# KiCad board HALTEST-panel.kicad_pcb (continued)
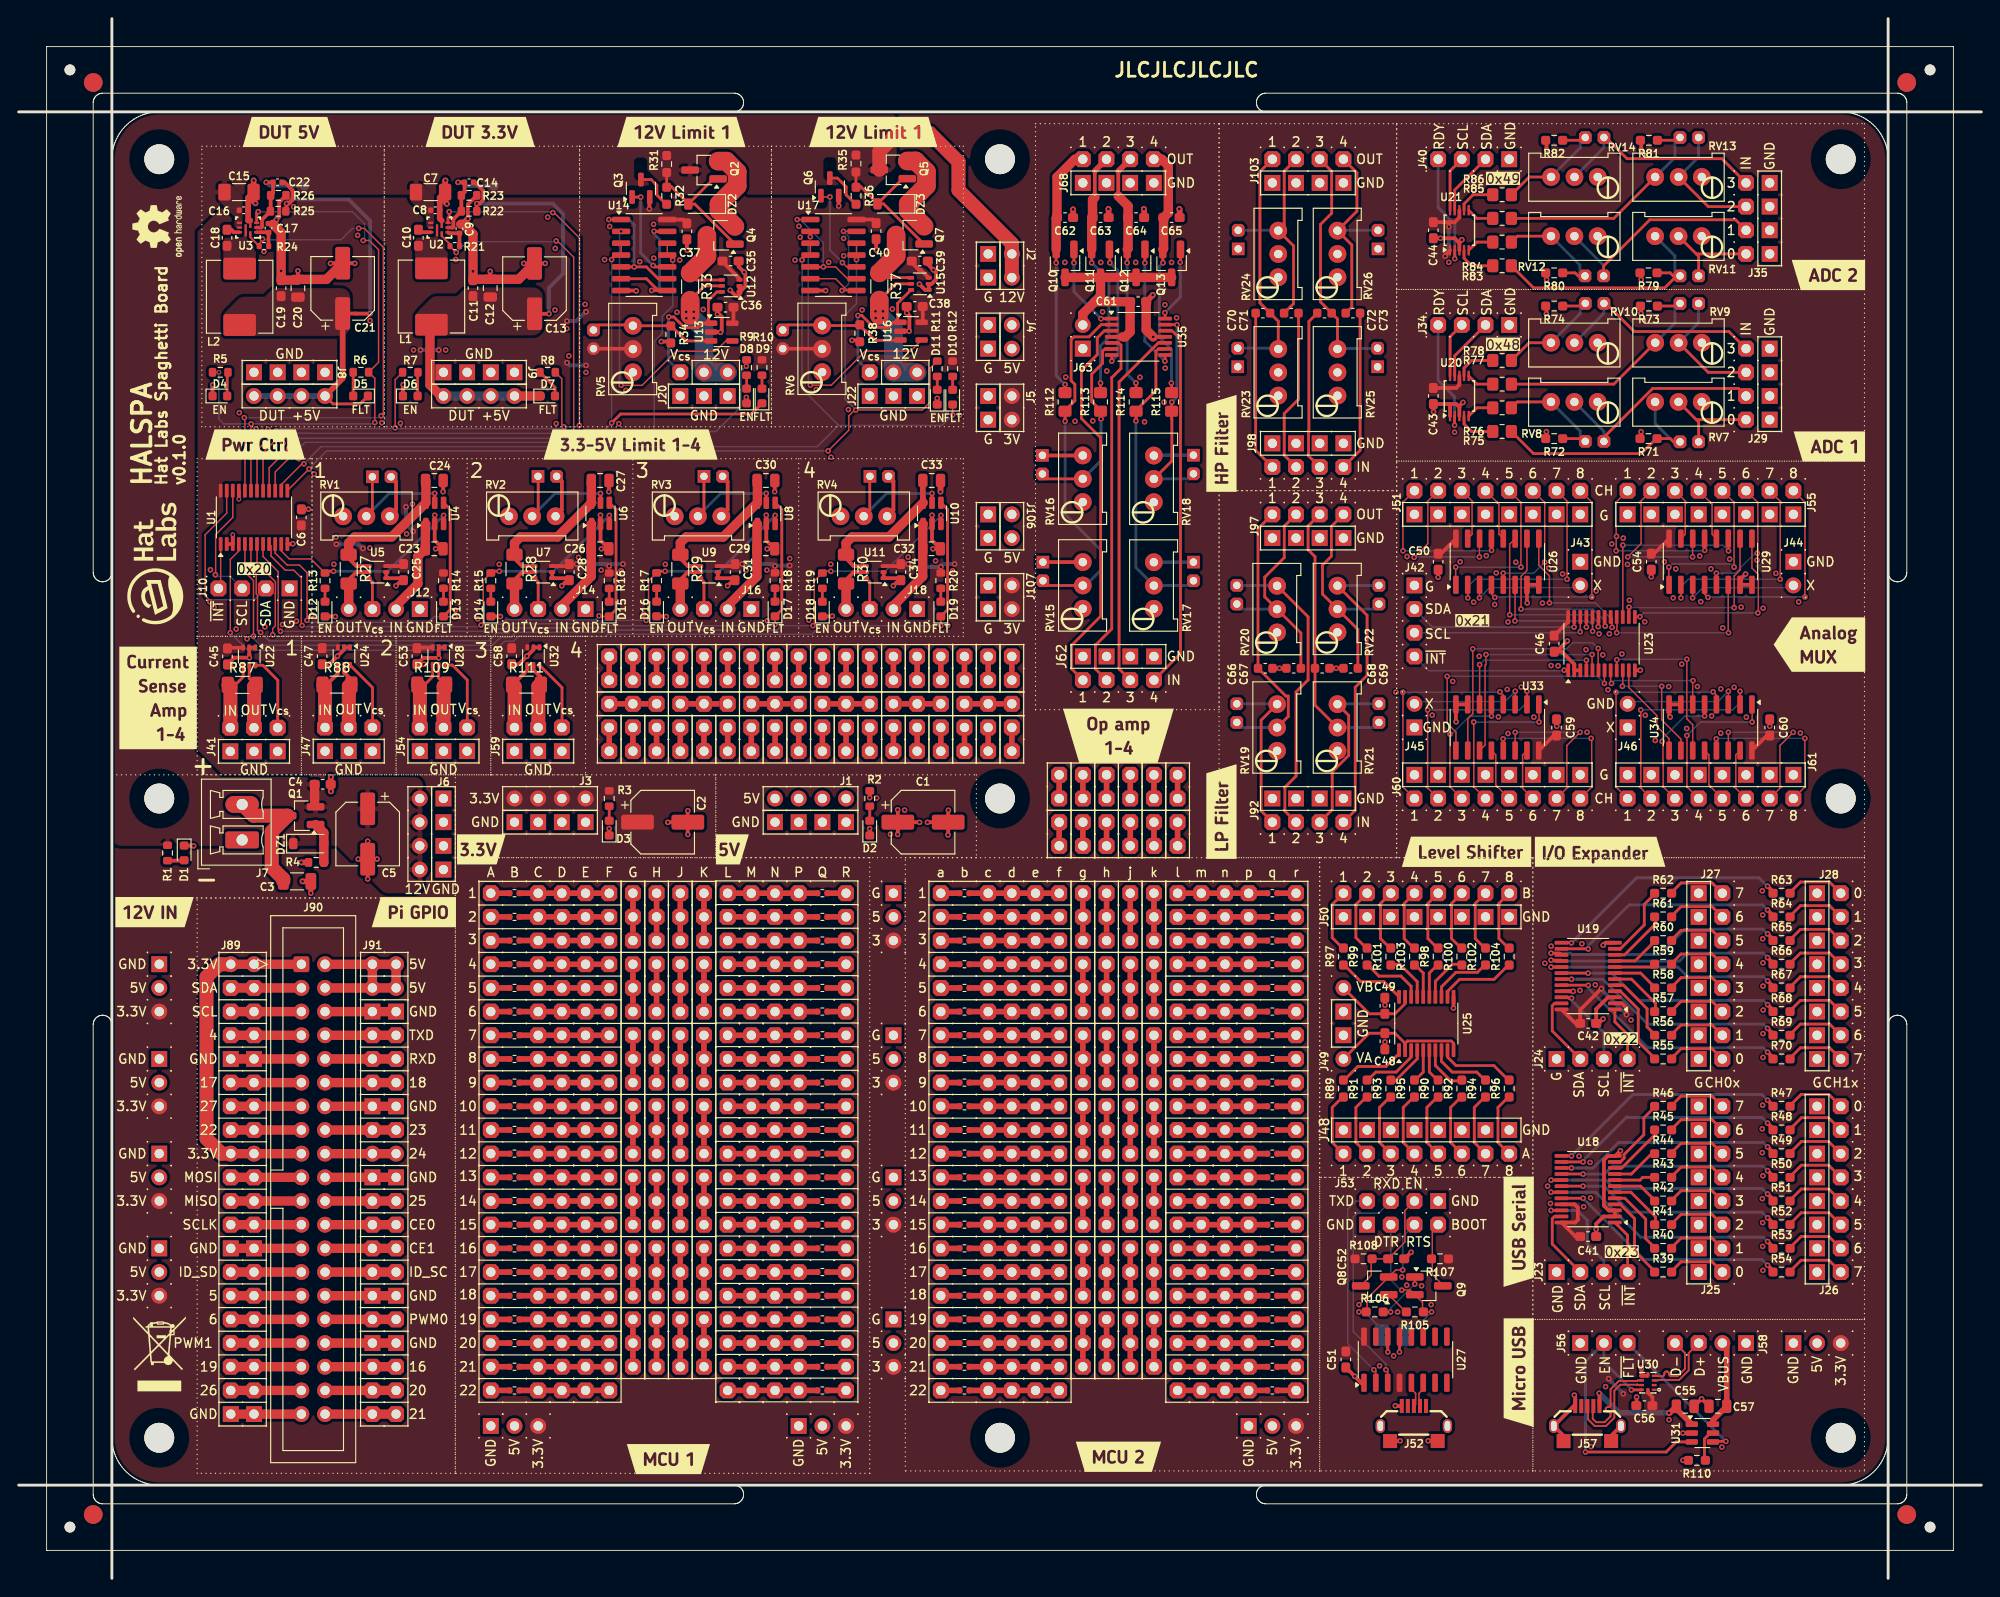
[diagram p0: board, top side]
## Routing (per net, layer and track width the routed paths; a pad name or vN(x,y) marks a point on that pad's centre or on a via; arc(x,y) is an arc through that point) (continued)
Board_0-/ADC/ADS1115 1/AIN1: length 2.9
  Top w0.3: U20.5 156.4,125.57 R76.1
Board_0-/ADC/ADS1115 1/AIN2: length 2.9
  Top w0.3: U20.6 156.4,128.11 R77.1
Board_0-/ADC/ADS1115 1/AIN3: length 4.3
  Top w0.3: R78.1 155.83,130.65 155.02,129.84 U20.7
Board_0-/ADC/ADS1115 1/AINc0: length 10.5
  Top w0.3: J30.1 180.18,124.05 179.93,124.3 ; J29.2 179.93,124.3 ; 179.93,124.3 RV7.2
Board_0-/ADC/ADS1115 1/AINc1: length 23.7
  Top w0.3: J31.1 170.02,122.41 175.26,127.65 184.45,127.65 J29.4
  Bottom w0.3: J31.1 170.02,123.04 RV8.2
Board_0-/ADC/ADS1115 1/AINc2: length 13.6
  Top w0.3: RV9.2 181.21,129.38 J29.6
  Bottom w0.3: RV9.2 180.18,134.7 J32.1
Board_0-/ADC/ADS1115 1/AINc3: length 22.8
  Top w0.3: J29.8 183.42,133.76 173.26,133.76 170.25,136.77 J33.1
  Bottom w0.3: RV10.2 170.02,135.72 J33.1
Board_0-/ADC/ADS1115 1/AINr0: length 25.8
  Top w0.3: 175.63,122.27 177.13,122.27 177.48,121.92 J30.2 ; 175.63,122.27 175.51,122.39 ; 175.63,122.27 174.02,120.66 162.47,120.66 R75.2
  Bottom w0.3: RV7.3 175.51,123.89 177.48,121.92 J30.2
Board_0-/ADC/ADS1115 1/AINr1: length 12.9
  Top w0.3: 165.51,122.27 167.72,122.27 J31.2 ; RV8.3 160.73,126.2 R76.2
  Bottom w0.3: RV8.3 167.48,123.07 167.48,122.51 J31.2
Board_0-/ADC/ADS1115 1/AINr2: length 25.2
  Top w0.3: 175.67,136.49 177.9,136.49 J32.2 ; R77.2 171.08,128.11 RV9.3
  Bottom w0.3: RV9.3 177.64,134.67 177.64,136.23 J32.2
Board_0-/ADC/ADS1115 1/AINr3: length 13.4
  Top w0.3: 165.51,136.49 167.74,136.49 J33.2 ; R78.2 162,132.56 RV10.3
  Bottom w0.3: RV10.3 167.48,135.69 167.48,137
Board_0-/ADC/ADS1115 1/ALERT/RDY: length 12.5
  Top w0.3: v1(154,123.7) 154,124.67 U20.2
  Bottom w0.3: v1(154,123.7) 154,126.75 152.24,128.51 J34.4
Board_0-/ADC/ADS1115 1/SCL: length 6
  Top w0.3: U20.10 153.52,133.2 J34.3
Board_0-/ADC/ADS1115 1/SDA: length 6.8
  Top w0.3: J34.2 154.02,131.16 U20.9
Board_0-/ADC/ADS1115 2/AIN0: length 4.3
  Top w0.3: U21.4 155.02,141.62 155.83,140.81 R83.1
Board_0-/ADC/ADS1115 2/AIN1: length 2.9
  Top w0.3: R84.1 156.4,143.35 U21.5
Board_0-/ADC/ADS1115 2/AIN2: length 2.9
  Top w0.3: R85.1 156.4,145.89 U21.6
Board_0-/ADC/ADS1115 2/AIN3: length 4.2
  Top w0.3: R86.1 156,148.43 155.02,147.45 U21.7
Board_0-/ADC/ADS1115 2/AINc0: length 10.5
  Top w0.3: J36.1 180.18,141.83 179.93,142.08 ; RV11.2 179.93,142.08 ; 179.93,142.08 J35.2
Board_0-/ADC/ADS1115 2/AINc1: length 24.4
  Top w0.3: J37.1 169.99,140.79 174.95,145.75 184.13,145.75 J35.4
  Bottom w0.3: J37.1 169.99,140.85 RV12.2
Board_0-/ADC/ADS1115 2/AINc2: length 13.7
  Top w0.3: J35.6 181.21,147.16 RV13.2
  Bottom w0.3: RV13.2 178.03,150.33 180.18,152.48 J38.1
Board_0-/ADC/ADS1115 2/AINc3: length 22.8
  Top w0.3: J35.8 182.66,152.3 172.5,152.3 170.23,154.57 J39.1
  Bottom w0.3: 166.87,150.33 170.02,153.49 J39.1
Board_0-/ADC/ADS1115 2/AINr0: length 27.7
  Top w0.3: 175.63,140.05 177.13,140.05 177.46,139.72 J36.2 177.82,139.72 176.53,138.43 162.48,138.43 R83.2
  Bottom w0.3: RV11.3 177.64,141.86 177.64,140.26 J36.2
Board_0-/ADC/ADS1115 2/AINr1: length 12.9
  Top w0.3: 165.51,140.05 166.93,140.05 167.26,139.72 J37.2 ; R84.2 160.73,143.98 RV12.3
  Bottom w0.3: J37.2 167.45,140.26 167.45,140.88 RV12.3
Board_0-/ADC/ADS1115 2/AINr2: length 25.2
  Top w0.3: R85.2 171.08,145.89 RV13.3 ; J38.2 177.88,154.27 175.67,154.27
  Bottom w0.3: RV13.3 175.53,150.33 177.64,152.44 177.64,154.03 J38.2
Board_0-/ADC/ADS1115 2/AINr3: length 13.4
  Top w0.3: RV14.3 162,150.33 R86.2 ; 165.51,154.27 167.72,154.27 J39.2
  Bottom w0.3: RV14.3 167.48,153.46 167.48,154.03 J39.2
Board_0-/ADC/ADS1115 2/ALERT/RDY: length 12.3
  Top w0.3: v1(154.02,141.57) U21.2
  Bottom w0.3: J40.4 152.24,147.06 154.03,145.27 154.03,141.59 v1(154.02,141.57)
Board_0-/ADC/ADS1115 2/SCL: length 6
  Top w0.3: U21.10 153.52,150.98 J40.3
Board_0-/ADC/ADS1115 2/SDA: length 6.8
  Top w0.3: J40.2 154.02,148.94 U21.9
Board_0-/Analog IO/A1: length 19.7
  Top w0.15: 160.5,111.53 159.91,110.95 v1(159.91,103.37) ; U23.19 169.44,102.13 v1(169.41,102.1)
  Bottom w0.15: v1(159.91,103.37) 168.55,103.37 169.41,102.51 v1(169.41,102.1)
Board_0-/Analog IO/A2: length 20.6
  Top w0.15: 183.35,111.53 183.38,111.51 v1(183.38,110.23) ; U23.15 172.04,110.83 v1(172.05,110.84)
  Bottom w0.15: v1(183.38,110.23) 182.77,110.84 v1(172.05,110.84)
Board_0-/Analog IO/A3: length 23.7
  Top w0.15: U33.11 157.27,89.39 157.27,97.93 157.37,98.04 v1(157.37,99.1) ; U23.5 168.75,97.45 v1(168.75,99.1)
  Bottom w0.15: v1(157.37,99.1) v1(168.75,99.1)
Board_0-/Analog IO/A4: length 18.7
  Top w0.15: U34.11 179.54,91.57 178.91,92.21 v1(178.91,98.6) ; U23.9 171.39,97.41 v1(171.39,98.54)
  Bottom w0.15: v1(171.39,98.54) 171.44,98.6 v1(178.91,98.6)
Board_0-/Analog IO/Analog MUX 1/X: length 12.8
  Top w0.15: v1(156.67,105.18) 156.67,106.57 U26.3
  Bottom w0.15: v1(156.67,105.18) 157.77,106.28 167.24,106.28 J43.2
Board_0-/Analog IO/Analog MUX 1/X0: length 17.7
  Top w0.15: v1(148.47,110.23) 148.47,115.45 J51.2 ; v1(157.97,110.28) 157.97,111.52 157.96,111.53
  Bottom w0.15: v1(157.97,110.28) 157.92,110.23 v1(148.47,110.23)
Board_0-/Analog IO/Analog MUX 1/X1: length 17.2
  Top w0.15: J51.4 151.14,115.58 151.14,111 v1(149.67,109.53) ; 156.69,111.53 156.67,111.52 v1(156.67,109.58)
  Bottom w0.15: v1(156.67,109.58) 149.72,109.58 v1(149.67,109.53)
Board_0-/Analog IO/Analog MUX 1/X2: length 5.8
  Top w0.15: 155.41,111.53 155.88,112 155.88,115.58 J51.6
Board_0-/Analog IO/Analog MUX 1/X3: length 5.9
  Top w0.15: 159.22,111.53 158.76,112 158.76,115.24 J51.8
Board_0-/Analog IO/Analog MUX 1/X4: length 17.6
  Top w0.15: U26.1 154.12,106.61 v1(154.12,108.48) ; J51.10 161.12,115.42 v1(161.12,108.48)
  Bottom w0.15: v1(161.12,108.48) v1(154.12,108.48)
Board_0-/Analog IO/Analog MUX 1/X5: length 14.4
  Top w0.15: U26.5 159.22,106.59 v1(159.22,107.83) ; v1(163.67,109.01) 163.67,115.41 J51.12
  Bottom w0.15: v1(163.67,109.01) 162.49,107.83 v1(159.22,107.83)
Board_0-/Analog IO/Analog MUX 1/X6: length 23.6
  Top w0.15: U26.2 155.42,106.58 v1(155.42,105.18) ; v1(166.07,107.18) 166.07,115.55 J51.14
  Bottom w0.15: v1(155.42,105.18) 155.42,106.38 156.22,107.18 v1(166.07,107.18)
Board_0-/Analog IO/Analog MUX 1/X7: length 23.8
  Top w0.15: J51.16 168.72,115.44 v1(168.72,105.28) ; v1(158.32,105.23) 157.96,105.59 U26.4
  Bottom w0.15: v1(158.32,105.23) 158.37,105.28 v1(168.72,105.28)
Board_0-/Analog IO/Analog MUX 2/X: length 12.8
  Top w0.15: v1(179.53,105.18) 179.53,106.57 U29.3
  Bottom w0.15: J44.2 190.1,106.28 180.63,106.28 v1(179.53,105.18)
Board_0-/Analog IO/Analog MUX 2/X0: length 17.9
  Top w0.15: v1(171.33,110.23) 171.33,115.45 J55.2 ; v1(180.83,110.28) 180.83,111.52 180.81,111.53 ; 171.38,111.8 v1(171.37,111.78)
  Bottom w0.15: v1(171.33,110.23) 180.78,110.23 v1(180.83,110.28) ; v1(171.37,111.78) 171.27,111.88
Board_0-/Analog IO/Analog MUX 2/X1: length 17.1
  Top w0.15: v1(172.58,109.58) 174,111 174,115.58 J55.4 ; 179.54,111.53 179.53,111.52 v1(179.53,109.58)
  Bottom w0.15: v1(172.58,109.58) v1(179.53,109.58)
Board_0-/Analog IO/Analog MUX 2/X2: length 5.8
  Top w0.15: 178.28,111.53 178.74,112 178.74,115.58 J55.6
Board_0-/Analog IO/Analog MUX 2/X3: length 5.9
  Top w0.15: J55.8 181.62,115.24 181.62,112 182.09,111.53
Board_0-/Analog IO/Analog MUX 2/X4: length 17.9
  Top w0.15: J55.10 183.98,115.42 v1(183.98,108.48) ; U29.1 176.98,106.61 v1(176.98,108.48)
  Bottom w0.15: v1(183.98,108.48) 183.64,108.82 177.32,108.82 v1(176.98,108.48)
Board_0-/Analog IO/Analog MUX 2/X5: length 13.8
  Top w0.15: v1(182.08,107.83) 182.08,106.59 182.09,106.58 ; J55.12 186.53,115.41 186.53,110.03 v1(186.48,109.97)
  Bottom w0.15: v1(186.48,109.97) 186.23,109.97 184.08,107.83 v1(182.08,107.83)
Board_0-/Analog IO/Analog MUX 2/X6: length 23.6
  Top w0.15: J55.14 188.93,115.55 v1(188.93,107.18) ; U29.2 178.28,106.58 v1(178.28,105.18)
  Bottom w0.15: v1(188.93,107.18) 179.08,107.18 178.28,106.38 v1(178.28,105.18)
Board_0-/Analog IO/Analog MUX 2/X7: length 23.8
  Top w0.15: v1(181.18,105.23) 180.81,105.59 U29.4 ; J55.16 191.58,115.44 v1(191.58,105.28)
  Bottom w0.15: v1(181.18,105.23) 181.23,105.28 v1(191.58,105.28)
Board_0-/Analog IO/Analog MUX 3/X: length 12.8
  Top w0.15: v1(160.51,95.16) 160.51,93.77 160.5,93.75
  Bottom w0.15: J45.2 149.94,94.06 159.41,94.06 v1(160.51,95.16)
Board_0-/Analog IO/Analog MUX 3/X0: length 17.7
  Top w0.15: 168.71,90.11 168.71,84.89 J60.2 ; v1(159.21,90.06) 159.21,88.82 U33.13
  Bottom w0.15: v1(159.21,90.06) 159.26,90.11 v1(168.65,90.11) 168.71,90.11
Board_0-/Analog IO/Analog MUX 3/X1: length 17.1
  Top w0.15: v1(167.46,90.76) 166.04,89.34 166.04,84.76 J60.4 ; U33.14 160.51,88.82 v1(160.51,90.76)
  Bottom w0.15: v1(167.46,90.76) v1(160.51,90.76)
Board_0-/Analog IO/Analog MUX 3/X2: length 5.8
  Top w0.15: J60.6 161.3,84.76 161.3,88.34 U33.15
Board_0-/Analog IO/Analog MUX 3/X3: length 5.9
  Top w0.15: U33.12 158.42,88.34 158.42,85.1 J60.8
Board_0-/Analog IO/Analog MUX 3/X4: length 17.6
  Top w0.15: 163.03,93.75 163.06,93.73 v1(163.06,91.86) ; J60.10 156.06,84.92 v1(156.06,91.86)
  Bottom w0.15: v1(156.06,91.86) v1(163.06,91.86)
Board_0-/Analog IO/Analog MUX 3/X5: length 13.9
  Top w0.15: 157.96,93.75 157.96,93.75 v1(157.96,92.51) ; J60.12 153.51,84.93 v1(153.51,90.57)
  Bottom w0.15: v1(157.96,92.51) 155.64,92.51 153.7,90.57 v1(153.51,90.57)
Board_0-/Analog IO/Analog MUX 3/X6: length 23.6
  Top w0.15: 161.76,93.75 161.76,93.76 v1(161.76,95.16) ; v1(151.11,93.16) 151.11,84.79 J60.14
  Bottom w0.15: v1(151.11,93.16) 160.96,93.16 161.76,93.96 v1(161.76,95.16)
Board_0-/Analog IO/Analog MUX 3/X7: length 23.8
  Top w0.15: v1(148.46,95.06) 148.46,84.9 J60.16 ; v1(158.86,95.11) 159.22,94.74 159.22,93.75
  Bottom w0.15: v1(148.46,95.06) 158.81,95.06 v1(158.86,95.11)
Board_0-/Analog IO/Analog MUX 4/X: length 12.8
  Top w0.15: 183.35,93.75 183.37,93.77 v1(183.37,95.16)
  Bottom w0.15: J46.2 172.8,94.06 182.27,94.06 v1(183.37,95.16)
Board_0-/Analog IO/Analog MUX 4/X0: length 17.7
  Top w0.15: v1(191.57,90.11) 191.57,84.89 J61.2 ; v1(182.07,90.06) 182.07,88.82 182.09,88.8
  Bottom w0.15: v1(191.57,90.11) 182.12,90.11 v1(182.07,90.06)
Board_0-/Analog IO/Analog MUX 4/X1: length 17.1
  Top w0.15: v1(183.37,90.76) 183.37,88.82 U34.14 ; v1(190.32,90.76) 188.9,89.34 188.9,84.76 J61.4
  Bottom w0.15: v1(190.32,90.76) v1(183.37,90.76)
Board_0-/Analog IO/Analog MUX 4/X2: length 5.8
  Top w0.15: J61.6 184.16,84.76 184.16,88.34 U34.15
Board_0-/Analog IO/Analog MUX 4/X3: length 5.9
  Top w0.15: J61.8 181.28,85.1 181.28,88.34 U34.12
Board_0-/Analog IO/Analog MUX 4/X4: length 16.8
  Top w0.15: J61.10 178.92,84.92 v1(178.92,90.42) ; 185.9,93.75 185.92,93.73 v1(185.92,91.86)
  Bottom w0.15: v1(178.92,90.42) 180.36,91.86 v1(185.92,91.86)
Board_0-/Analog IO/Analog MUX 4/X5: length 13.8
  Top w0.15: v1(176.27,89.78) 176.35,89.7 176.35,87.77 176.37,87.75 176.37,84.93 J61.12 ; 180.81,93.75 180.82,93.75 v1(180.82,92.51)
  Bottom w0.15: v1(180.82,92.51) 178.72,92.51 176.27,90.07 v1(176.27,89.78)
Board_0-/Analog IO/Analog MUX 4/X6: length 23.6
  Top w0.15: v1(173.97,93.16) 173.97,84.79 J61.14 ; 184.62,93.75 184.62,93.76 v1(184.62,95.16)
  Bottom w0.15: v1(184.62,95.16) 184.62,93.96 183.82,93.16 v1(173.97,93.16)
Board_0-/Analog IO/Analog MUX 4/X7: length 23.8
  Top w0.15: J61.16 171.32,84.9 v1(171.32,95.06) ; 182.09,93.75 182.09,94.74 v1(181.72,95.11)
  Bottom w0.15: v1(171.32,95.06) 181.67,95.06 v1(181.72,95.11)
Board_0-/Analog IO/B1: length 18.9
  Top w0.15: v1(170.16,102.15) 170.16,103.07 U23.18 ; v1(161.13,103.98) 161.13,107.5 161.76,108.13 161.76,111.53
  Bottom w0.15: v1(170.16,102.15) 170.16,102.67 168.85,103.98 v1(161.13,103.98)
Board_0-/Analog IO/B2: length 20
  Top w0.15: 184.62,111.53 184.62,108.17 183.99,107.53 v1(183.99,104.13) ; v1(172.71,104.18) 172.71,103.15 U23.14
  Bottom w0.15: v1(172.71,104.18) 172.76,104.13 v1(183.99,104.13)
Board_0-/Analog IO/B3: length 27.5
  Top w0.15: U23.6 169.41,97.44 v1(169.41,99.76) ; U33.10 155.41,92.21 155.97,92.76 155.97,99.7 v1(155.95,99.71)
  Bottom w0.15: v1(155.95,99.71) 165.99,99.71 166.64,100.37 168.8,100.37 v1(169.41,99.76)
Board_0-/Analog IO/B4: length 13.7
  Top w0.15: v1(176.22,95.7) 176.22,92.09 178.28,90.04 U34.10 ; v1(172,95.7) 172.04,95.74 U23.10
  Bottom w0.15: v1(176.22,95.7) v1(172,95.7)
Board_0-/Analog IO/C1: length 16.8
  Top w0.15: 163.03,111.53 163.03,108.68 164.18,107.54 v1(164.18,104.64) ; U23.17 170.9,102.98 v1(170.9,102.02)
  Bottom w0.15: v1(170.9,102.02) 170.9,102.85 169.11,104.64 v1(164.18,104.64)
Board_0-/Analog IO/C2: length 21.6
  Top w0.15: v1(186.53,103.57) 186.58,103.62 186.58,107.69 185.9,108.37 185.9,111.53 ; v1(173.88,103.17) 173.38,103.17 173.34,103.13
  Bottom w0.15: v1(186.53,103.57) 174.29,103.57 v1(173.88,103.17)
Board_0-/Analog IO/C3: length 26.9
  Top w0.15: U23.7 170.07,97.39 v1(170.07,96) ; v1(153.21,96.77) 153.21,91.74 154.15,90.8 U33.9
  Bottom w0.15: v1(170.07,96) 169.31,96.77 v1(153.21,96.77)
Board_0-/Analog IO/C4: length 10.4
  Top w0.15: U34.9 177,90.09 175.7,91.39 175.7,92.56 172.69,95.57 U23.11
Board_0-/Analog IO/INH1: length 14.6
  Top w0.15: v1(168.8,101.59) 168.8,103.12 U23.20 ; v1(160.47,102.71) 160.5,102.74 U26.6
  Bottom w0.15: v1(168.8,101.59) 168.8,102.24 168.33,102.71 v1(160.47,102.71)
Board_0-/Analog IO/INH2: length 18.9
  Top w0.15: v1(183.38,101.44) 183.35,101.47 U29.6 ; U23.16 171.42,103.1 171.42,101.47 v1(171.39,101.44)
  Bottom w0.15: v1(171.39,101.44) v1(183.38,101.44)
Board_0-/Analog IO/INH3: length 17
  Top w0.15: v1(156.69,98.02) 156.69,93.75 ; U23.4 168.14,97.41 v1(168.14,98.49)
  Bottom w0.15: v1(168.14,98.49) 157.16,98.49 v1(156.69,98.02)
Board_0-/Analog IO/INH4: length 12.9
  Top w0.15: v1(170.83,96) 170.74,96.1 U23.8 ; 179.54,93.75 179.54,96.28 v1(179.57,96.31)
  Bottom w0.15: v1(170.83,96) 171.14,96.31 v1(179.57,96.31)
Board_0-/Analog IO/SCL: length 19.4
  Top w0.15: U23.22 167.49,101.55 v1(167.48,101.54)
  Bottom w0.15: v1(167.48,101.54) 167.38,101.44 J42.3
Board_0-/Analog IO/SDA: length 19.1
  Top w0.15: v1(166.82,102.05) 166.84,102.07 166.84,103.13
  Bottom w0.15: v1(166.82,102.05) 151.63,102.05 J42.2 149.7,103.93
Board_0-/Analog IO/~{INT}: length 17.2
  Top w0.15: v1(165.75,97.43) 165.77,97.41 U23.1
  Bottom w0.15: v1(165.75,97.43) 165.7,97.37 151.23,97.37 J42.4
Board_0-/Current Sense/INA199 1/IN1: length 7.8
  Top w0.3: U22.4 24.08,96.7 23.23,95.85 22.52,95.85
  Top w1.5: 22.51,95.85 22.72,95.64 22.72,92.56 22.7,92.55 22.7,91.28
Board_0-/Current Sense/INA199 1/OUT1: length 7.7
  Top w0.3: 24.73,95.85 25.43,95.85 24.73,96.55 U22.5
  Top w1.5: 25.24,91.28 25.24,92.55 25.25,92.56 25.25,95.67 25.43,95.85
Board_0-/Current Sense/INA199 2/IN1: length 7.5
  Top w0.4: U24.4 34.24,97.08 32.86,95.69
  Top w1.5: 32.68,95.88 32.86,95.69 J47.2 ; 32.86,91.3 32.88,91.32
Board_0-/Current Sense/INA199 2/OUT1: length 7
  Top w0.4: U24.5 34.89,97.18 35.6,96.47 35.6,95.88
  Top w1.5: 35.6,95.88 35.42,95.69 35.42,91.32 35.4,91.3
Board_0-/Current Sense/INA199 3/IN1: length 7.8
  Top w0.3: 42.84,95.88 43.55,95.88 44.4,96.73 U28.4
  Top w1.5: 42.83,95.88 43.03,95.67 43.03,92.59 43.02,92.57 43.02,91.3
Board_0-/Current Sense/INA199 3/OUT1: length 7.7
  Top w0.3: U28.5 45.05,96.58 45.75,95.88 45.05,95.88
  Top w1.5: 45.75,95.88 45.58,95.7 45.58,92.59 45.56,92.57 45.56,91.3
Board_0-/Current Sense/INA199 4/IN1: length 7.4
  Top w0.4: U32.4 54.56,97.44 53,95.88
  Top w1.5: 53,95.88 53.19,95.68 53.19,91.32 53.18,91.3
Board_0-/Current Sense/INA199 4/OUT1: length 7
  Top w0.4: 55.92,95.88 55.92,96.75 55.21,97.46 U32.5
  Top w1.5: 55.72,91.3 55.73,91.32 55.73,95.69 55.92,95.88
Board_0-/Digital IO/P1r00: length 6.4
  Top w0.3: J25.16 181.62,33.96 178.3,33.96 177.19,32.86
Board_0-/Digital IO/P1r01: length 6.4
  Top w0.3: 177.19,35.4 178.3,36.5 181.62,36.5 J25.14
Board_0-/Digital IO/P1r02: length 6.4
  Top w0.3: 177.19,37.94 178.3,39.04 181.62,39.04 J25.12
Board_0-/Digital IO/P1r03: length 6.4
  Top w0.3: J25.10 181.62,41.58 178.3,41.58 177.19,40.48
Board_0-/Digital IO/P1r04: length 6.4
  Top w0.3: 177.19,43.02 178.3,44.12 181.62,44.12 J25.8
Board_0-/Digital IO/P1r05: length 6.4
  Top w0.3: J25.6 181.62,46.66 178.3,46.66 177.19,45.56
Board_0-/Digital IO/P1r06: length 6.4
  Top w0.3: J25.4 181.62,49.2 178.3,49.2 177.19,48.1
Board_0-/Digital IO/P1r07: length 6.4
  Top w0.3: J25.2 181.62,51.74 178.3,51.74 177.19,50.64
Board_0-/Digital IO/P1r10: length 6.6
  Top w0.3: 189.9,50.64 191.18,51.92 194.14,51.92 J26.16
Board_0-/Digital IO/P1r11: length 6.6
  Top w0.3: 189.9,48.1 191.22,49.42 194.1,49.42 J26.14
Board_0-/Digital IO/P1r12: length 6.6
  Top w0.3: 189.9,45.56 191.21,46.87 194.11,46.87 J26.12
Board_0-/Digital IO/P1r13: length 6.6
  Top w0.3: 189.9,43.02 191.19,44.32 194.12,44.32 J26.10
Board_0-/Digital IO/P1r14: length 6.6
  Top w0.3: J26.8 194.13,41.77 191.19,41.77 189.9,40.48
Board_0-/Digital IO/P1r15: length 6.6
  Top w0.3: J26.6 194.14,39.22 191.18,39.22 189.9,37.94
Board_0-/Digital IO/P1r16: length 6.6
  Top w0.3: 189.9,35.4 191.16,36.67 194.15,36.67 J26.4
Board_0-/Digital IO/P1r17: length 6.6
  Top w0.3: J26.2 194.16,34.12 191.16,34.12 189.9,32.86
Board_0-/Digital IO/P2r00: length 6.4
  Top w0.3: J27.16 181.62,56.82 178.3,56.82 177.19,55.72
Board_0-/Digital IO/P2r01: length 6.4
  Top w0.3: J27.14 181.62,59.36 178.3,59.36 177.19,58.26
Board_0-/Digital IO/P2r02: length 6.4
  Top w0.3: J27.12 181.62,61.9 178.3,61.9 177.19,60.8
Board_0-/Digital IO/P2r03: length 6.4
  Top w0.3: 177.19,63.34 178.3,64.44 181.62,64.44 J27.10
Board_0-/Digital IO/P2r04: length 6.4
  Top w0.3: J27.8 181.62,66.98 178.3,66.98 177.19,65.88
Board_0-/Digital IO/P2r05: length 6.4
  Top w0.3: J27.6 181.62,69.52 178.3,69.52 177.19,68.42
Board_0-/Digital IO/P2r06: length 6.4
  Top w0.3: 177.19,70.96 178.3,72.06 181.62,72.06 J27.4
Board_0-/Digital IO/P2r07: length 6.4
  Top w0.3: 177.19,73.5 178.3,74.6 181.62,74.6 J27.2
Board_0-/Digital IO/P2r10: length 6.5
  Top w0.3: 189.9,73.5 191.1,74.7 194.22,74.7 J28.16
Board_0-/Digital IO/P2r11: length 6.5
  Top w0.3: J28.14 194.22,72.16 191.1,72.16 189.9,70.96
Board_0-/Digital IO/P2r12: length 6.5
  Top w0.3: J28.12 194.22,69.62 191.1,69.62 189.9,68.42
Board_0-/Digital IO/P2r13: length 6.5
  Top w0.3: J28.10 194.22,67.08 191.1,67.08 189.9,65.88
Board_0-/Digital IO/P2r14: length 6.5
  Top w0.3: 189.9,63.34 191.1,64.54 194.22,64.54 J28.8
Board_0-/Digital IO/P2r15: length 6.5
  Top w0.3: 189.9,60.8 191.1,62 194.22,62 J28.6
Board_0-/Digital IO/P2r16: length 6.5
  Top w0.3: J28.4 194.22,59.46 191.1,59.46 189.9,58.26
Board_0-/Digital IO/P2r17: length 6.5
  Top w0.3: 189.9,55.72 191.1,56.92 194.22,56.92 J28.2
Board_0-/Digital IO/P100: length 9.4
  Top w0.3: U18.4 171.78,40.12 173.3,38.6 173.3,35.1 175.54,32.86
Board_0-/Digital IO/P101: length 7.8
  Top w0.3: U18.5 172.26,40.78 174.5,38.54 174.5,36.44 175.54,35.4
Board_0-/Digital IO/P102: length 6.3
  Top w0.3: 171.19,41.42 172.91,41.42 175.54,38.79 175.54,37.94
Board_0-/Digital IO/P103: length 5
  Top w0.3: U18.7 173.95,42.07 175.54,40.48
Board_0-/Digital IO/P104: length 4.5
  Top w0.3: U18.8 173.88,42.72 174.18,43.02 175.54,43.02
Board_0-/Digital IO/P105: length 5.3
  Top w0.3: 175.54,45.56 175.15,45.56 172.96,43.38 U18.9
Board_0-/Digital IO/P106: length 6.3
  Top w0.3: U18.10 171.93,44.03 175.54,47.64 175.54,48.1
Board_0-/Digital IO/P107: length 8.1
  Top w0.3: 175.54,50.64 174.3,49.39 174.3,47.59 172.18,45.47 172.18,45.08 171.78,44.67 U18.11
Board_0-/Digital IO/P110: length 26
  Top w0.3: U18.13 166.53,45.32 v1(166.54,45.32)
  Top w0.4: v1(187.57,51.29) 188.22,50.64 188.25,50.64
  Bottom w0.3: v1(187.57,51.29) 186.95,51.91 173.13,51.91 v1(166.54,45.32)
Board_0-/Digital IO/P111: length 25.5
  Top w0.3: U18.14 167.78,44.67 v1(167.79,44.67)
  Top w0.4: v1(187.57,48.84) 188.25,48.16 188.25,48.1
  Bottom w0.3: v1(187.57,48.84) 186.99,49.42 172.58,49.42 172.49,49.51 167.79,44.81 v1(167.79,44.67)
Board_0-/Digital IO/P112: length 24.4
  Top w0.3: v1(166.54,44.02) 166.53,44.03 U18.15
  Top w0.4: v1(187.57,46.29) 188.25,45.61 188.25,45.56
  Bottom w0.3: v1(187.57,46.29) 187.1,46.76 171.58,46.76 168.84,44.02 v1(166.54,44.02)
Board_0-/Digital IO/P113: length 23.7
  Top w0.3: U18.16 167.78,43.38 v1(167.79,43.37)
  Top w0.4: v1(187.57,43.74) 188.25,43.06 188.25,43.02
  Bottom w0.3: v1(187.57,43.74) 187.09,44.22 170.94,44.22 170.09,43.37 v1(167.79,43.37)
Board_0-/Digital IO/P114: length 26
  Top w0.3: v1(164.35,42.72) 165.46,42.72 U18.17
  Top w0.4: v1(187.57,41.24) 188.25,40.56 188.25,40.48
  Bottom w0.3: v1(187.57,41.24) 186.99,41.82 171.14,41.82 170.24,42.72 v1(164.35,42.72)
Board_0-/Digital IO/P115: length 24.5
  Top w0.3: U18.18 167.78,42.07 v1(167.79,42.07)
  Top w0.4: v1(187.57,38.69) 188.25,38.01 188.25,37.94
  Bottom w0.3: v1(167.79,42.07) 170.04,42.07 172.83,39.28 186.98,39.28 v1(187.57,38.69)
Board_0-/Digital IO/P116: length 27.5
  Top w0.3: v1(164.35,41.42) 165.46,41.42 165.47,41.42
  Top w0.4: v1(187.57,36.14) 188.25,35.47 188.25,35.4
  Bottom w0.3: v1(187.57,36.14) 187.11,36.6 173.96,36.6 169.14,41.42 v1(164.35,41.42)
Board_0-/Digital IO/P117: length 26.1
  Top w0.3: U18.20 167.78,40.78 v1(167.79,40.77)
  Top w0.4: v1(187.57,33.59) 188.25,32.91 188.25,32.86
  Bottom w0.3: v1(187.57,33.59) 186.96,34.2 174.36,34.2 v1(167.79,40.77)
Board_0-/Digital IO/P200: length 9.4
  Top w0.3: U19.4 171.78,62.98 173.7,61.06 173.7,57.56 175.54,55.72
Board_0-/Digital IO/P201: length 7.7
  Top w0.3: 175.54,58.26 174.65,59.15 174.65,61.1 172.12,63.63 U19.5
Board_0-/Digital IO/P202: length 6.3
  Top w0.3: 175.54,60.8 175.54,61.7 172.97,64.28 U19.6
Board_0-/Digital IO/P203: length 5
  Top w0.3: U19.7 173.95,64.93 175.54,63.34
Board_0-/Digital IO/P204: length 4.5
  Top w0.3: 175.54,65.88 175.25,65.58 U19.8
Board_0-/Digital IO/P205: length 5.3
  Top w0.3: 175.54,68.42 173.36,66.23 U19.9
Board_0-/Digital IO/P206: length 6.5
  Top w0.3: 171.19,66.88 172.24,66.88 175.54,70.19 175.54,70.96
Board_0-/Digital IO/P207: length 8.1
  Top w0.3: 175.54,73.5 174.35,72.3 174.35,70.1 171.78,67.53 U19.11
Board_0-/Digital IO/P210: length 26.4
  Top w0.3: 165.47,68.18 166.53,68.18 v1(166.54,68.17)
  Top w0.4: 188.25,73.5 188.25,73.57 v1(187.57,74.25)
  Bottom w0.3: v1(187.57,74.25) 187.55,74.25 186.65,75.15 173.52,75.15 v1(166.54,68.17)
Board_0-/Digital IO/P211: length 25.5
  Top w0.3: U19.14 168.32,67.53 v1(168.34,67.52)
  Top w0.4: 188.25,70.96 188.25,71.02 v1(187.57,71.7)
  Bottom w0.3: v1(187.57,71.7) 187.55,71.7 187,72.25 172.73,72.25 168.34,67.86 v1(168.34,67.52)
Board_0-/Digital IO/P212: length 26.8
  Top w0.3: v1(164.35,67.07) 165.28,67.07 165.47,66.88
  Top w0.4: 188.25,68.42 188.25,68.47 v1(187.57,69.15)
  Bottom w0.3: v1(164.35,67.07) 166.44,67.07 166.59,66.92 175.97,66.92 178.67,69.62 181.38,69.62 181.41,69.65 187.05,69.65 187.55,69.15 v1(187.57,69.15)
Board_0-/Digital IO/P213: length 26
  Top w0.3: v1(164.35,66.32) 165.38,66.32 U19.16
  Top w0.4: v1(187.57,66.6) 188.25,65.92 188.25,65.88
  Bottom w0.3: v1(164.35,66.32) 164.45,66.22 178.12,66.22 178.98,67.08 187.09,67.08 v1(187.57,66.6)
Board_0-/Digital IO/P214: length 26
  Top w0.3: v1(164.35,65.57) 165.45,65.57 U19.17
  Top w0.4: v1(187.57,64.1) 188.25,63.42 188.25,63.34
  Bottom w0.3: v1(164.35,65.57) 177.95,65.57 178.98,64.54 187.13,64.54 v1(187.57,64.1)
Board_0-/Digital IO/P215: length 24.5
  Top w0.3: U19.18 168.32,64.93 v1(168.34,64.92)
  Top w0.4: v1(187.57,61.55) 188.25,60.88 188.25,60.8
  Bottom w0.3: v1(168.34,64.92) 170.85,64.92 173.77,62 187.12,62 v1(187.57,61.55)
Board_0-/Digital IO/P216: length 25.3
  Top w0.3: U19.19 166.53,64.28 v1(166.54,64.27)
  Top w0.4: 188.25,58.26 188.25,58.32 v1(187.57,59)
  Bottom w0.3: v1(187.57,59) 187.11,59.46 174.7,59.46 169.89,64.27 v1(166.54,64.27)
Board_0-/Digital IO/P217: length 26.3
  Top w0.3: U19.20 168.32,63.63 v1(168.34,63.62)
  Top w0.4: v1(187.57,56.45) 188.25,55.78 188.25,55.72
  Bottom w0.3: v1(168.34,63.62) 168.34,63.32 174.74,56.92 187.1,56.92 v1(187.57,56.45)
Board_0-/Digital IO/SCL1: length 11.7
  Top w0.3: U18.22 164.35,39.47 v1(164.35,39.47)
  Bottom w0.3: J23.3 170.02,34.08 168.23,35.87 168.23,38.42 167.18,39.47 v1(164.35,39.47)
Board_0-/Digital IO/SCL2: length 9.1
  Top w0.3: v1(166.55,62.24) 166.29,62.24 166.2,62.33 U19.22
  Bottom w0.3: v1(166.55,62.24) 166.55,62 170.02,58.53 J24.3
Board_0-/Digital IO/SDA1: length 8
  Top w0.3: J23.2 164.48,35.86 164.48,38.57 164.73,38.82 U18.23
Board_0-/Digital IO/SDA2: length 8
  Top w0.3: 165.47,61.68 164.73,61.68 164.48,61.43 164.48,58.72 J24.2
Board_0-/Digital IO/~{INT1}: length 5.9
  Top w0.3: J23.4 172.56,36.81 U18.1
Board_0-/Digital IO/~{INT2}: length 5.9
  Top w0.3: U19.1 171.19,59.71 172.56,58.34 J24.4
Board_0-/DUT Power/Buck 3.3V/BOOT_: length 1.4
  Top w0.4: U2.7 43.14,144.41 C10.2
Board_0-/DUT Power/Buck 3.3V/FB: length 10.6
  Top w0.4: v1(47.12,149.76) C14.2 47.83,148.7 R23.1 R22.2 46.63,145.81 46.63,144.98 46.55,144.91 U2.2
  Bottom w0.4: TP1.1 47.92,149.36 47.53,149.76 v1(47.12,149.76)
Board_0-/DUT Power/Buck 5V/BOOT_: length 1.4
  Top w0.4: C18.2 22.81,144.67 23.08,144.41 U3.7
Board_0-/DUT Power/Buck 5V/FB: length 10.9
  Top w0.4: v1(26.55,149.76) C22.2 27.29,148.62 27.03,148.36 27.03,146.69 R25.2 26.1,145.76 26.1,144.98 26.03,144.91 U3.2